# Altium PCB ImmPCB2.PCBDOC (part 1 of 4)
Units mm, origin at the board's own origin, x right, y up, seen from the top; angles counter-clockwise.
Board outline 140.04 x 97 mm, 4 copper layers (Top Layer, InternalPlane1, InternalPlane2, Bottom Layer); 374 components, 334 nets, 1652 pads, 438 vias.
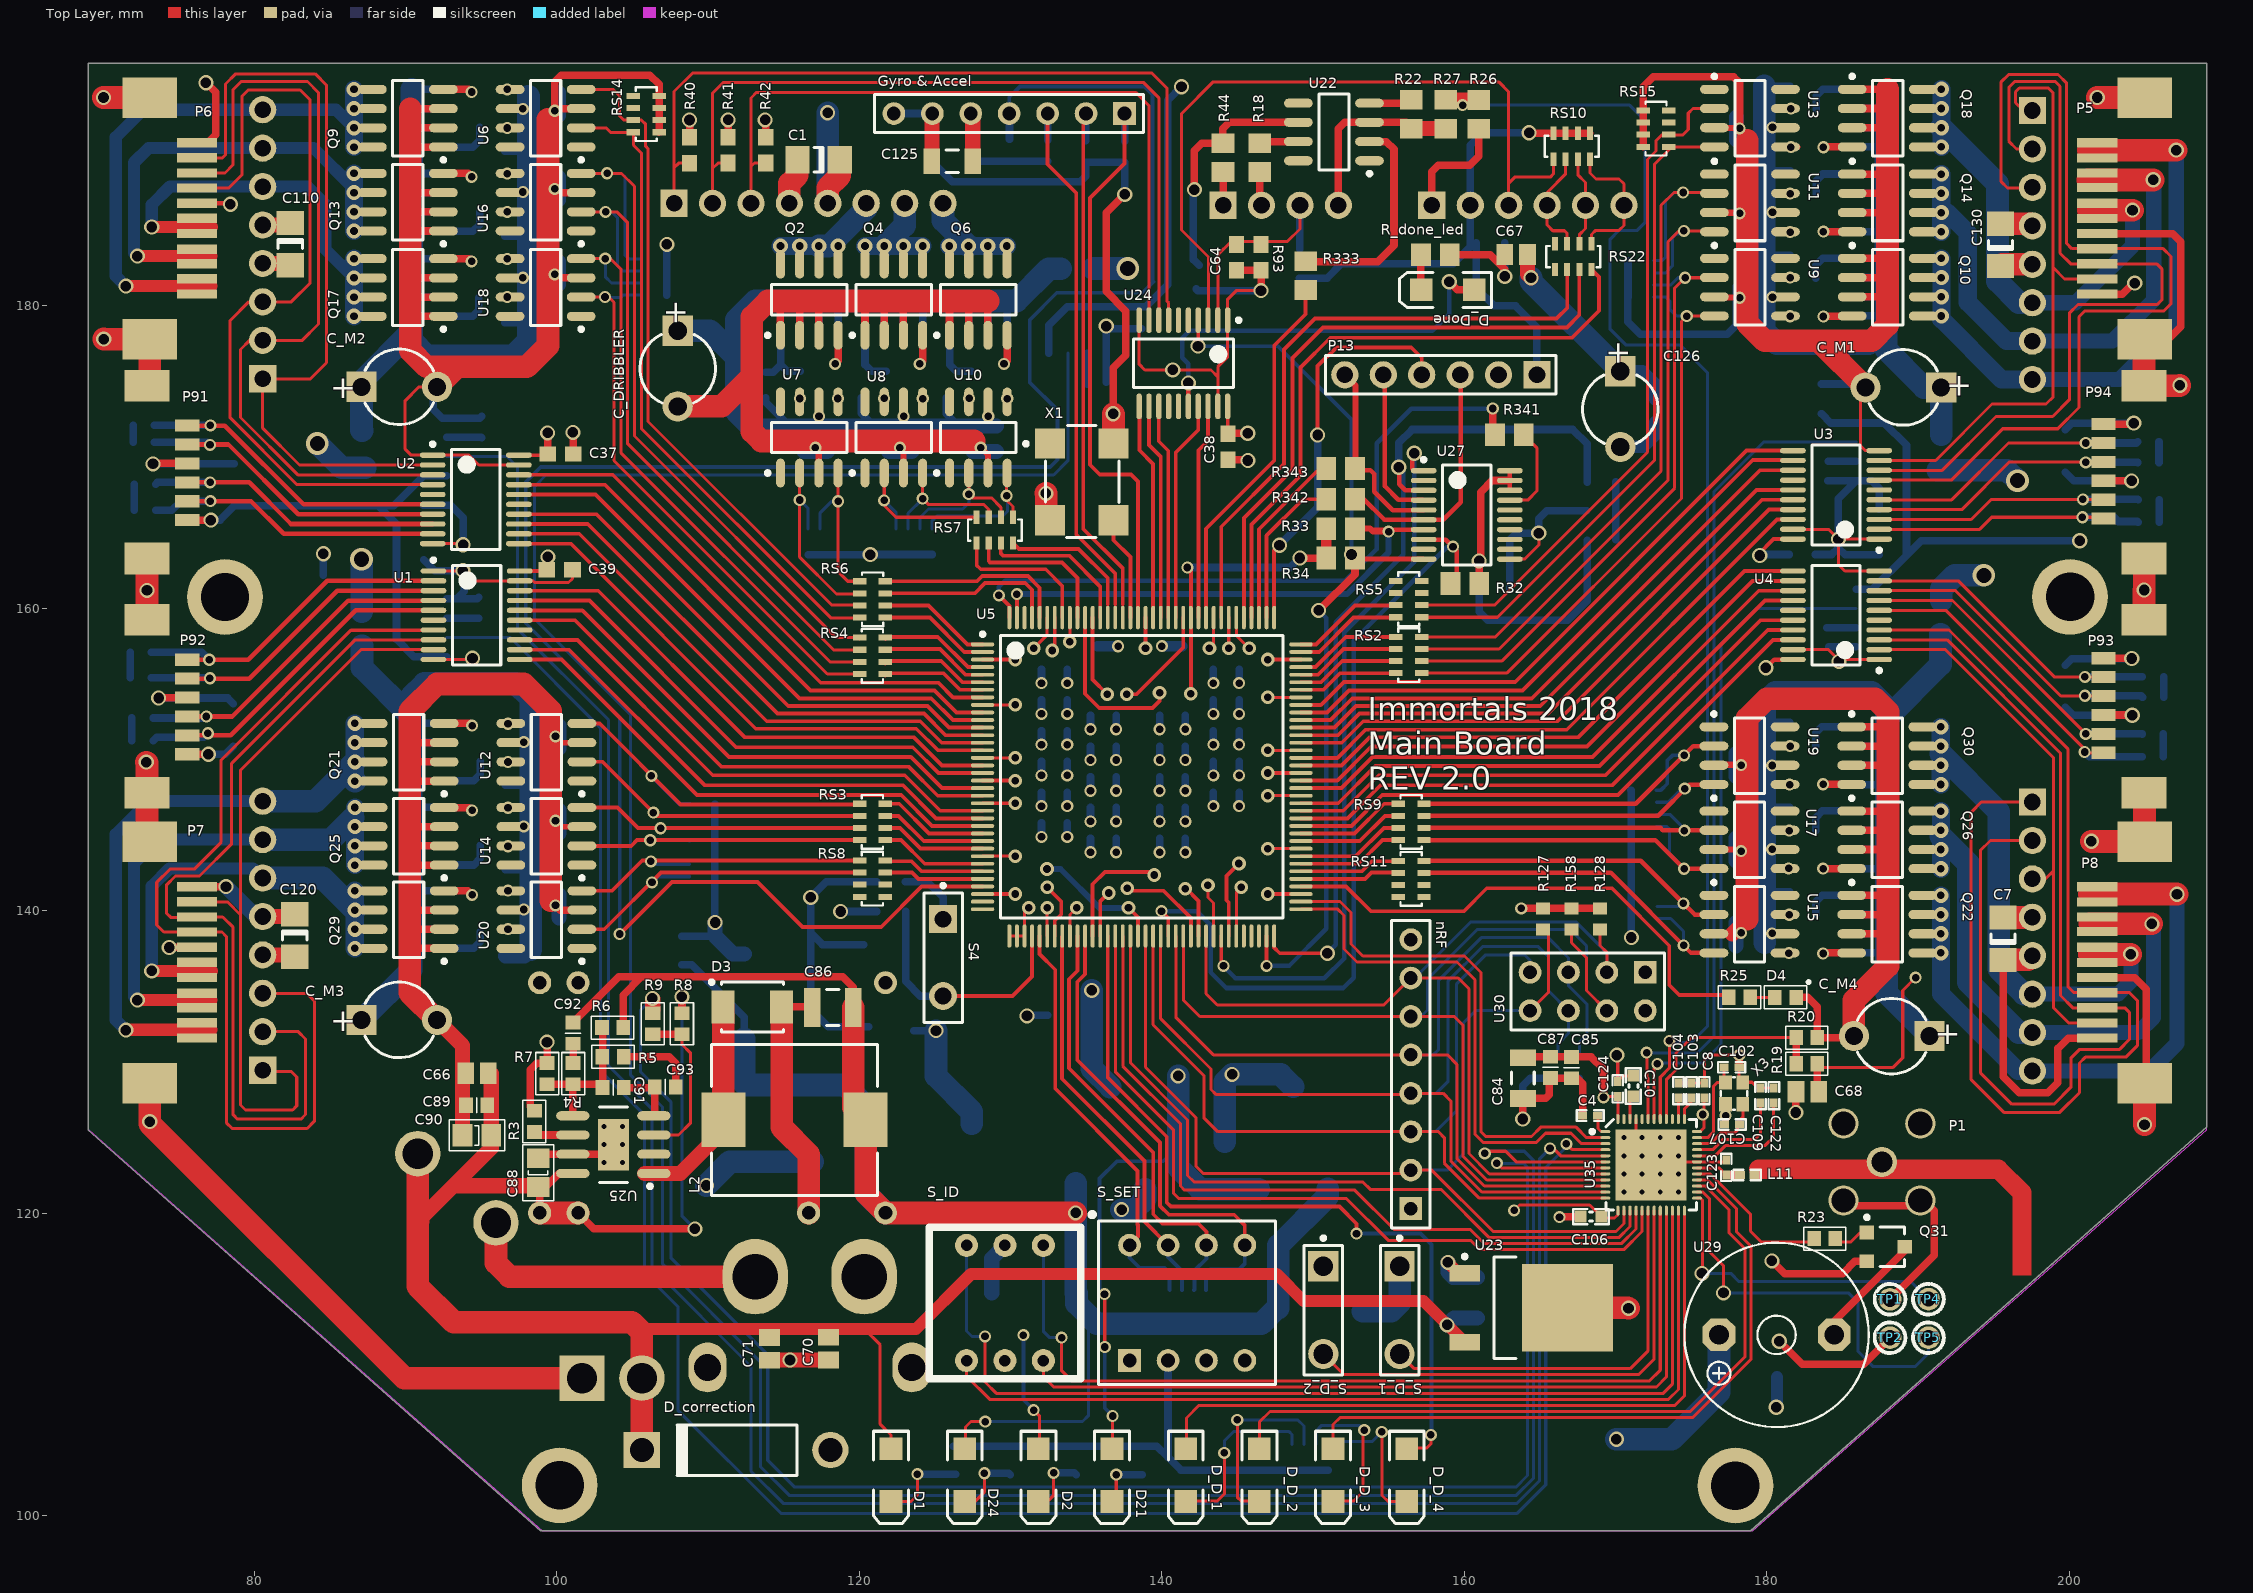
[diagram p0: Top Layer view]
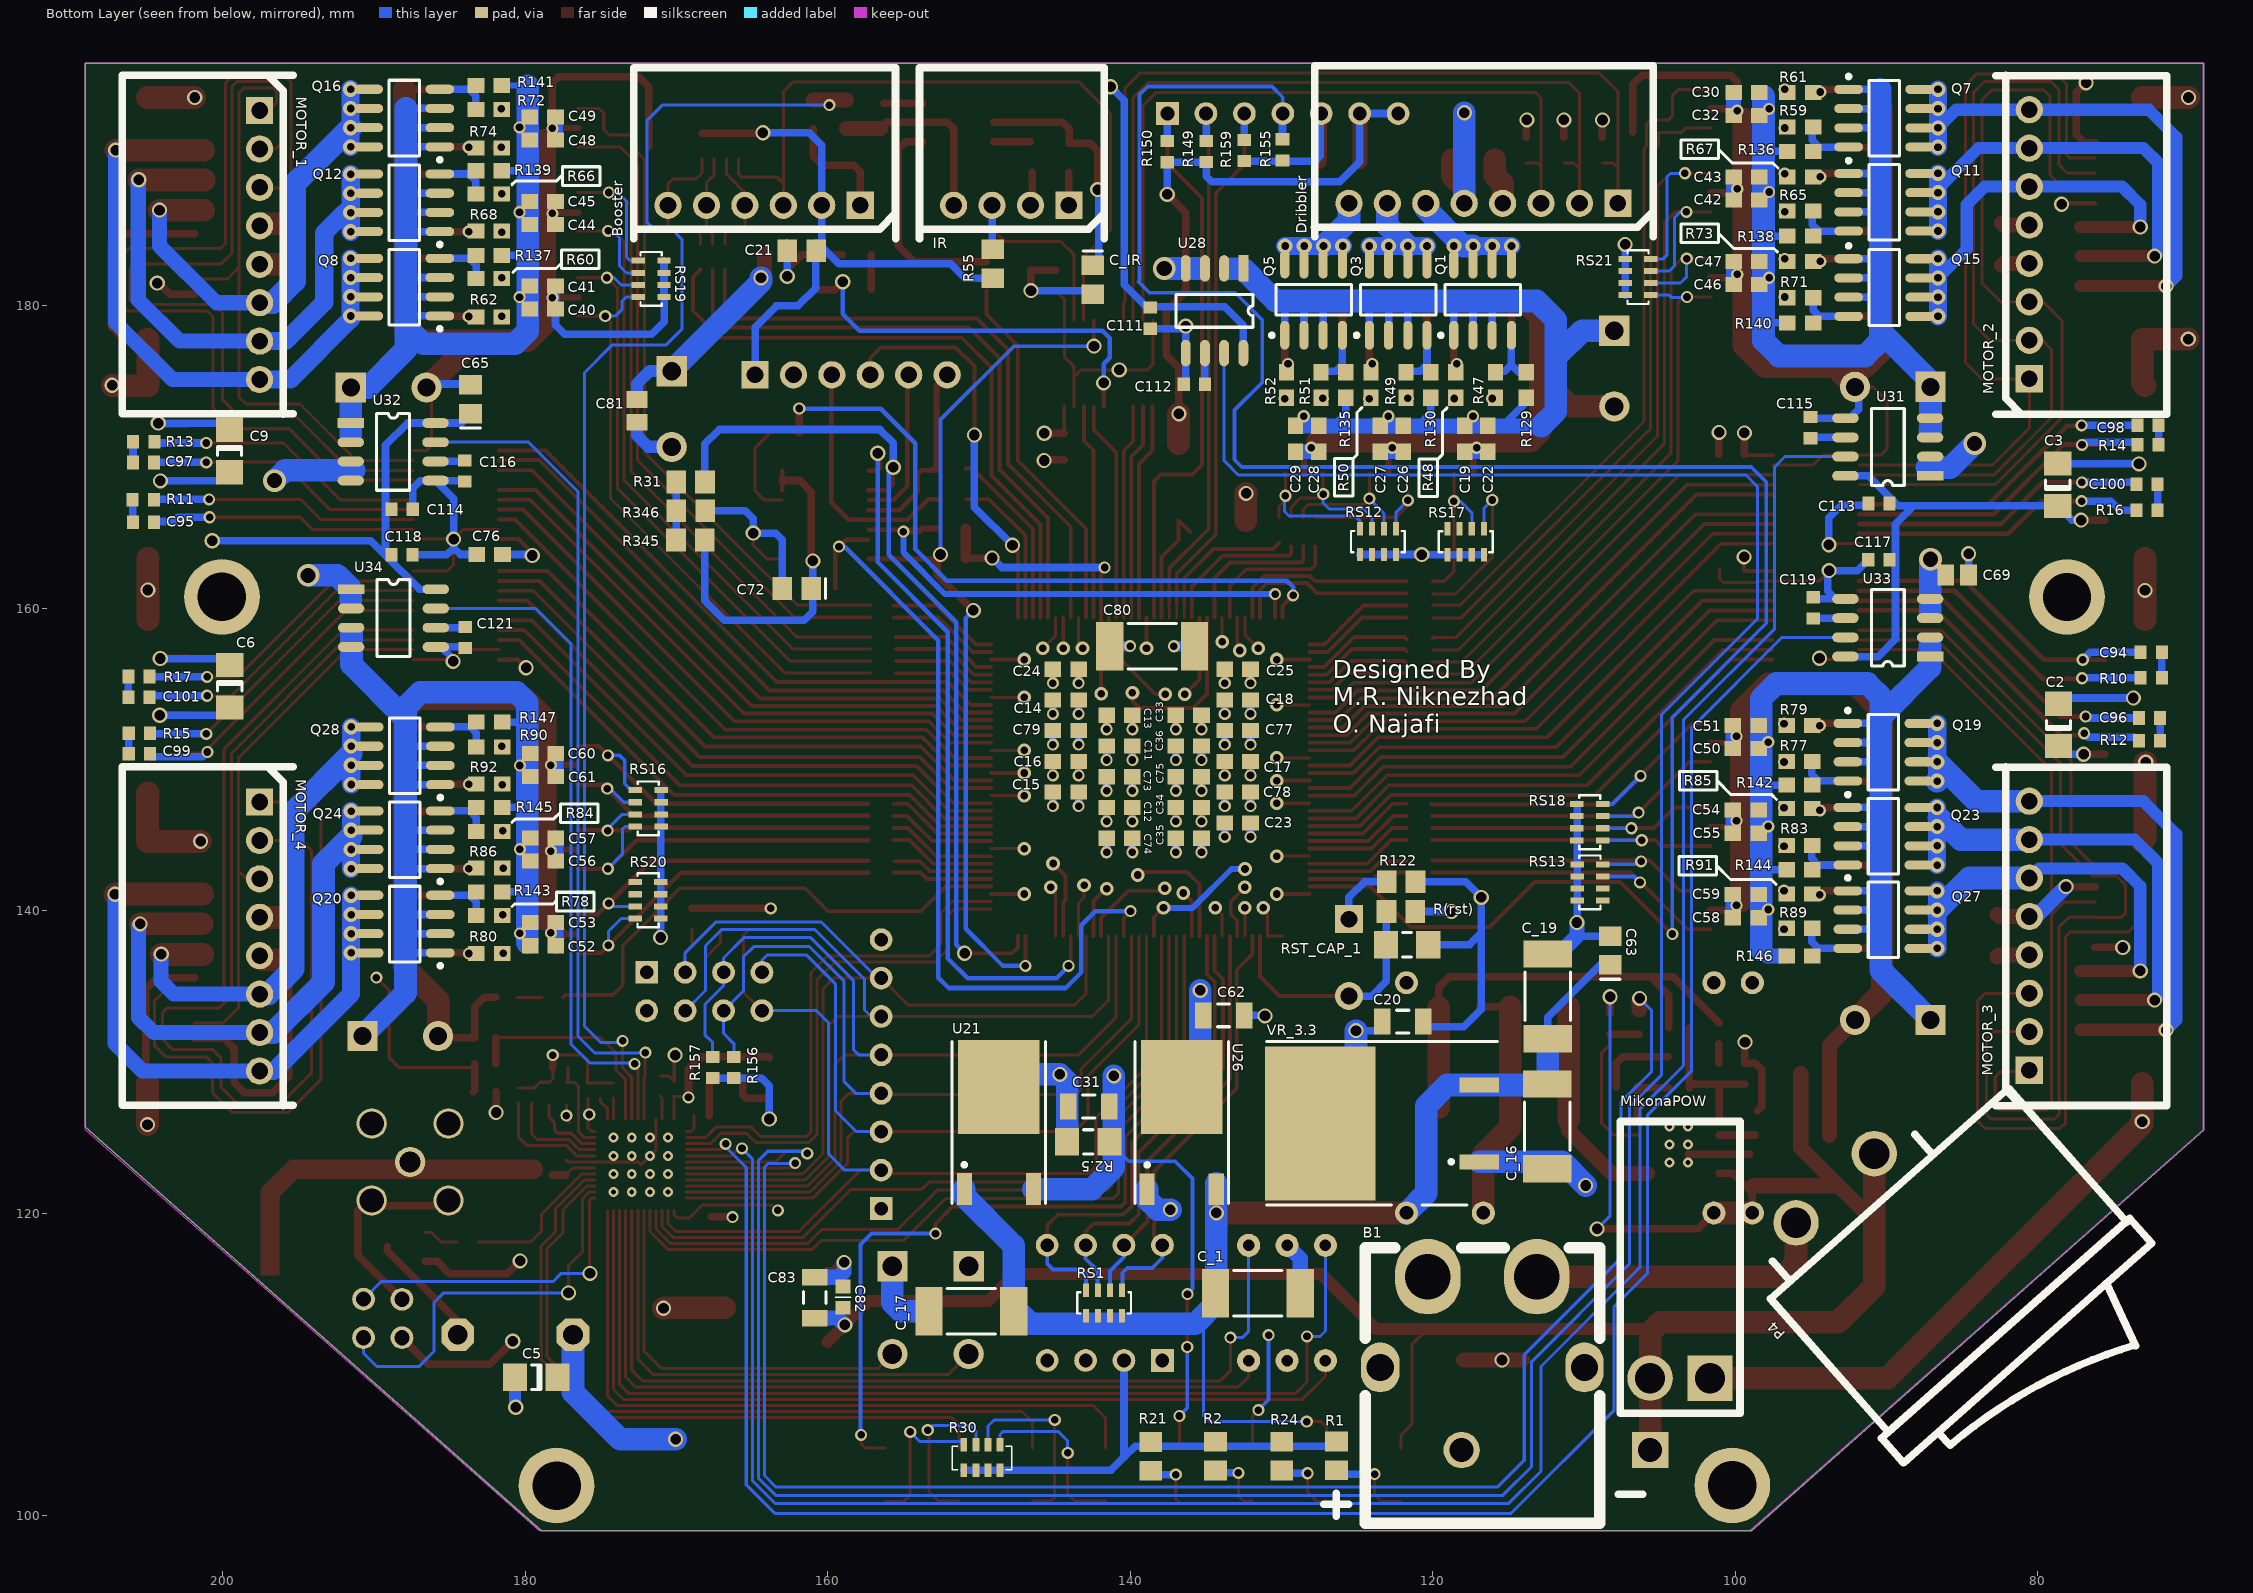
[diagram p1: Bottom Layer view, seen from below]
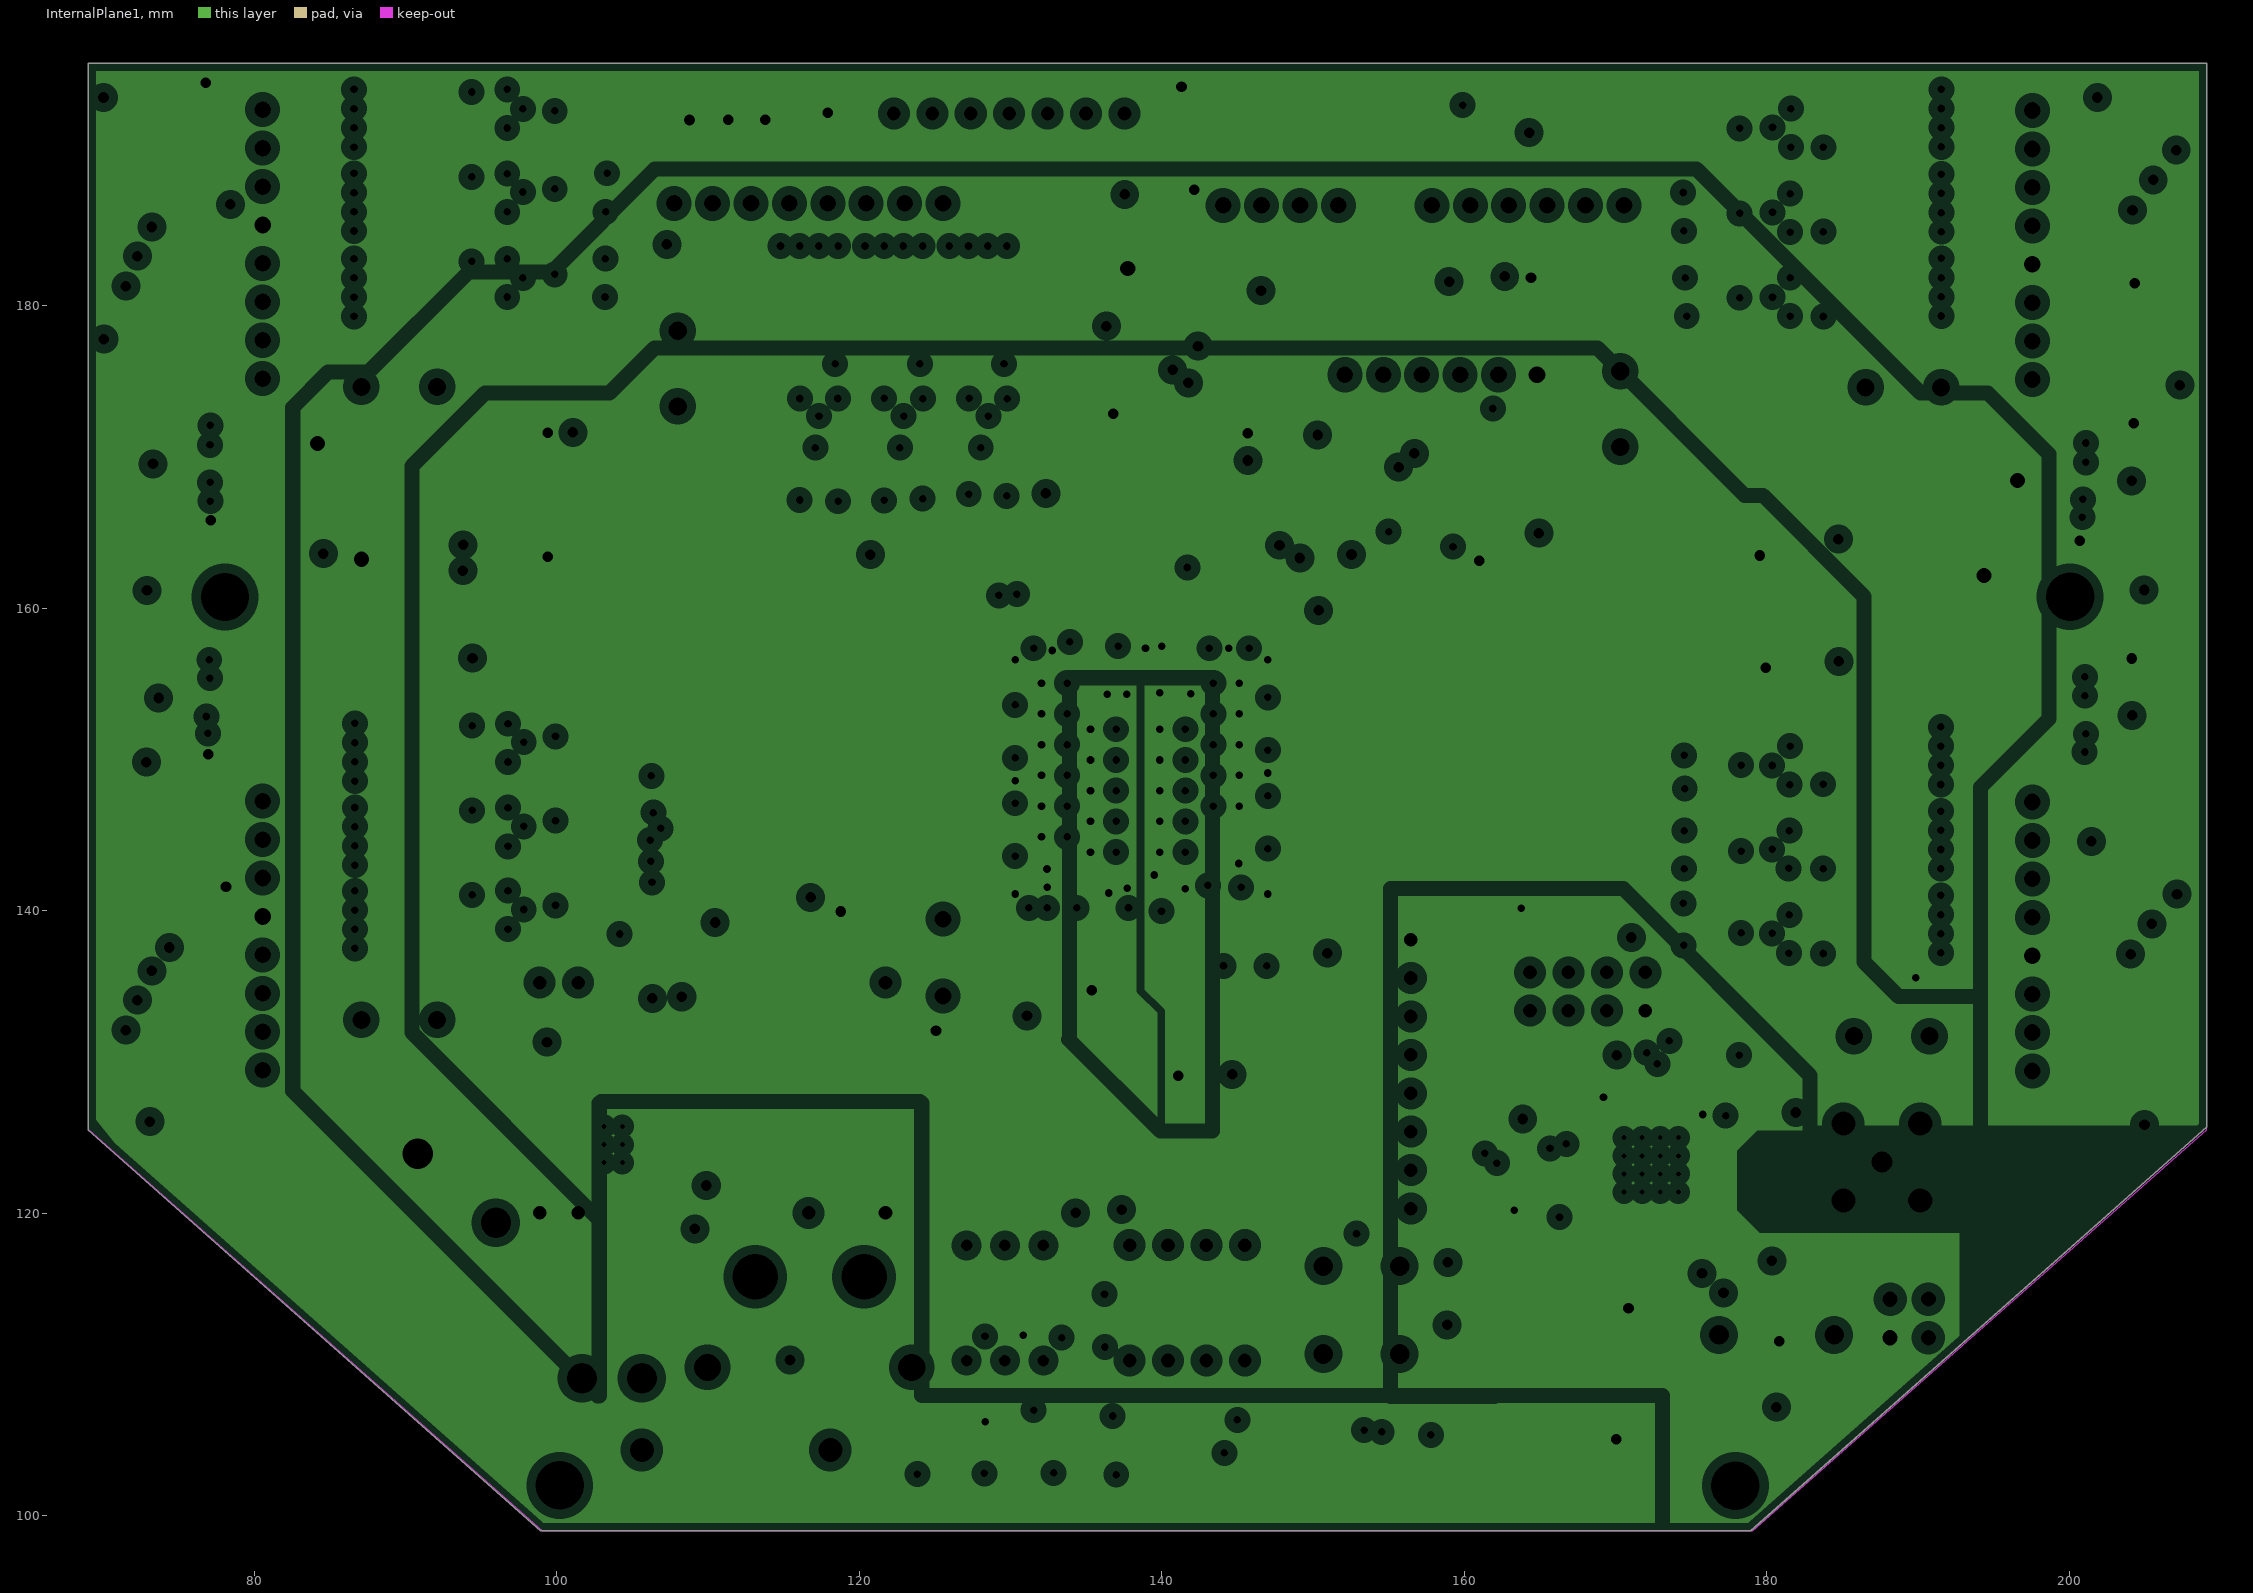
[diagram p2: InternalPlane1, clearances drawn from the general rule]
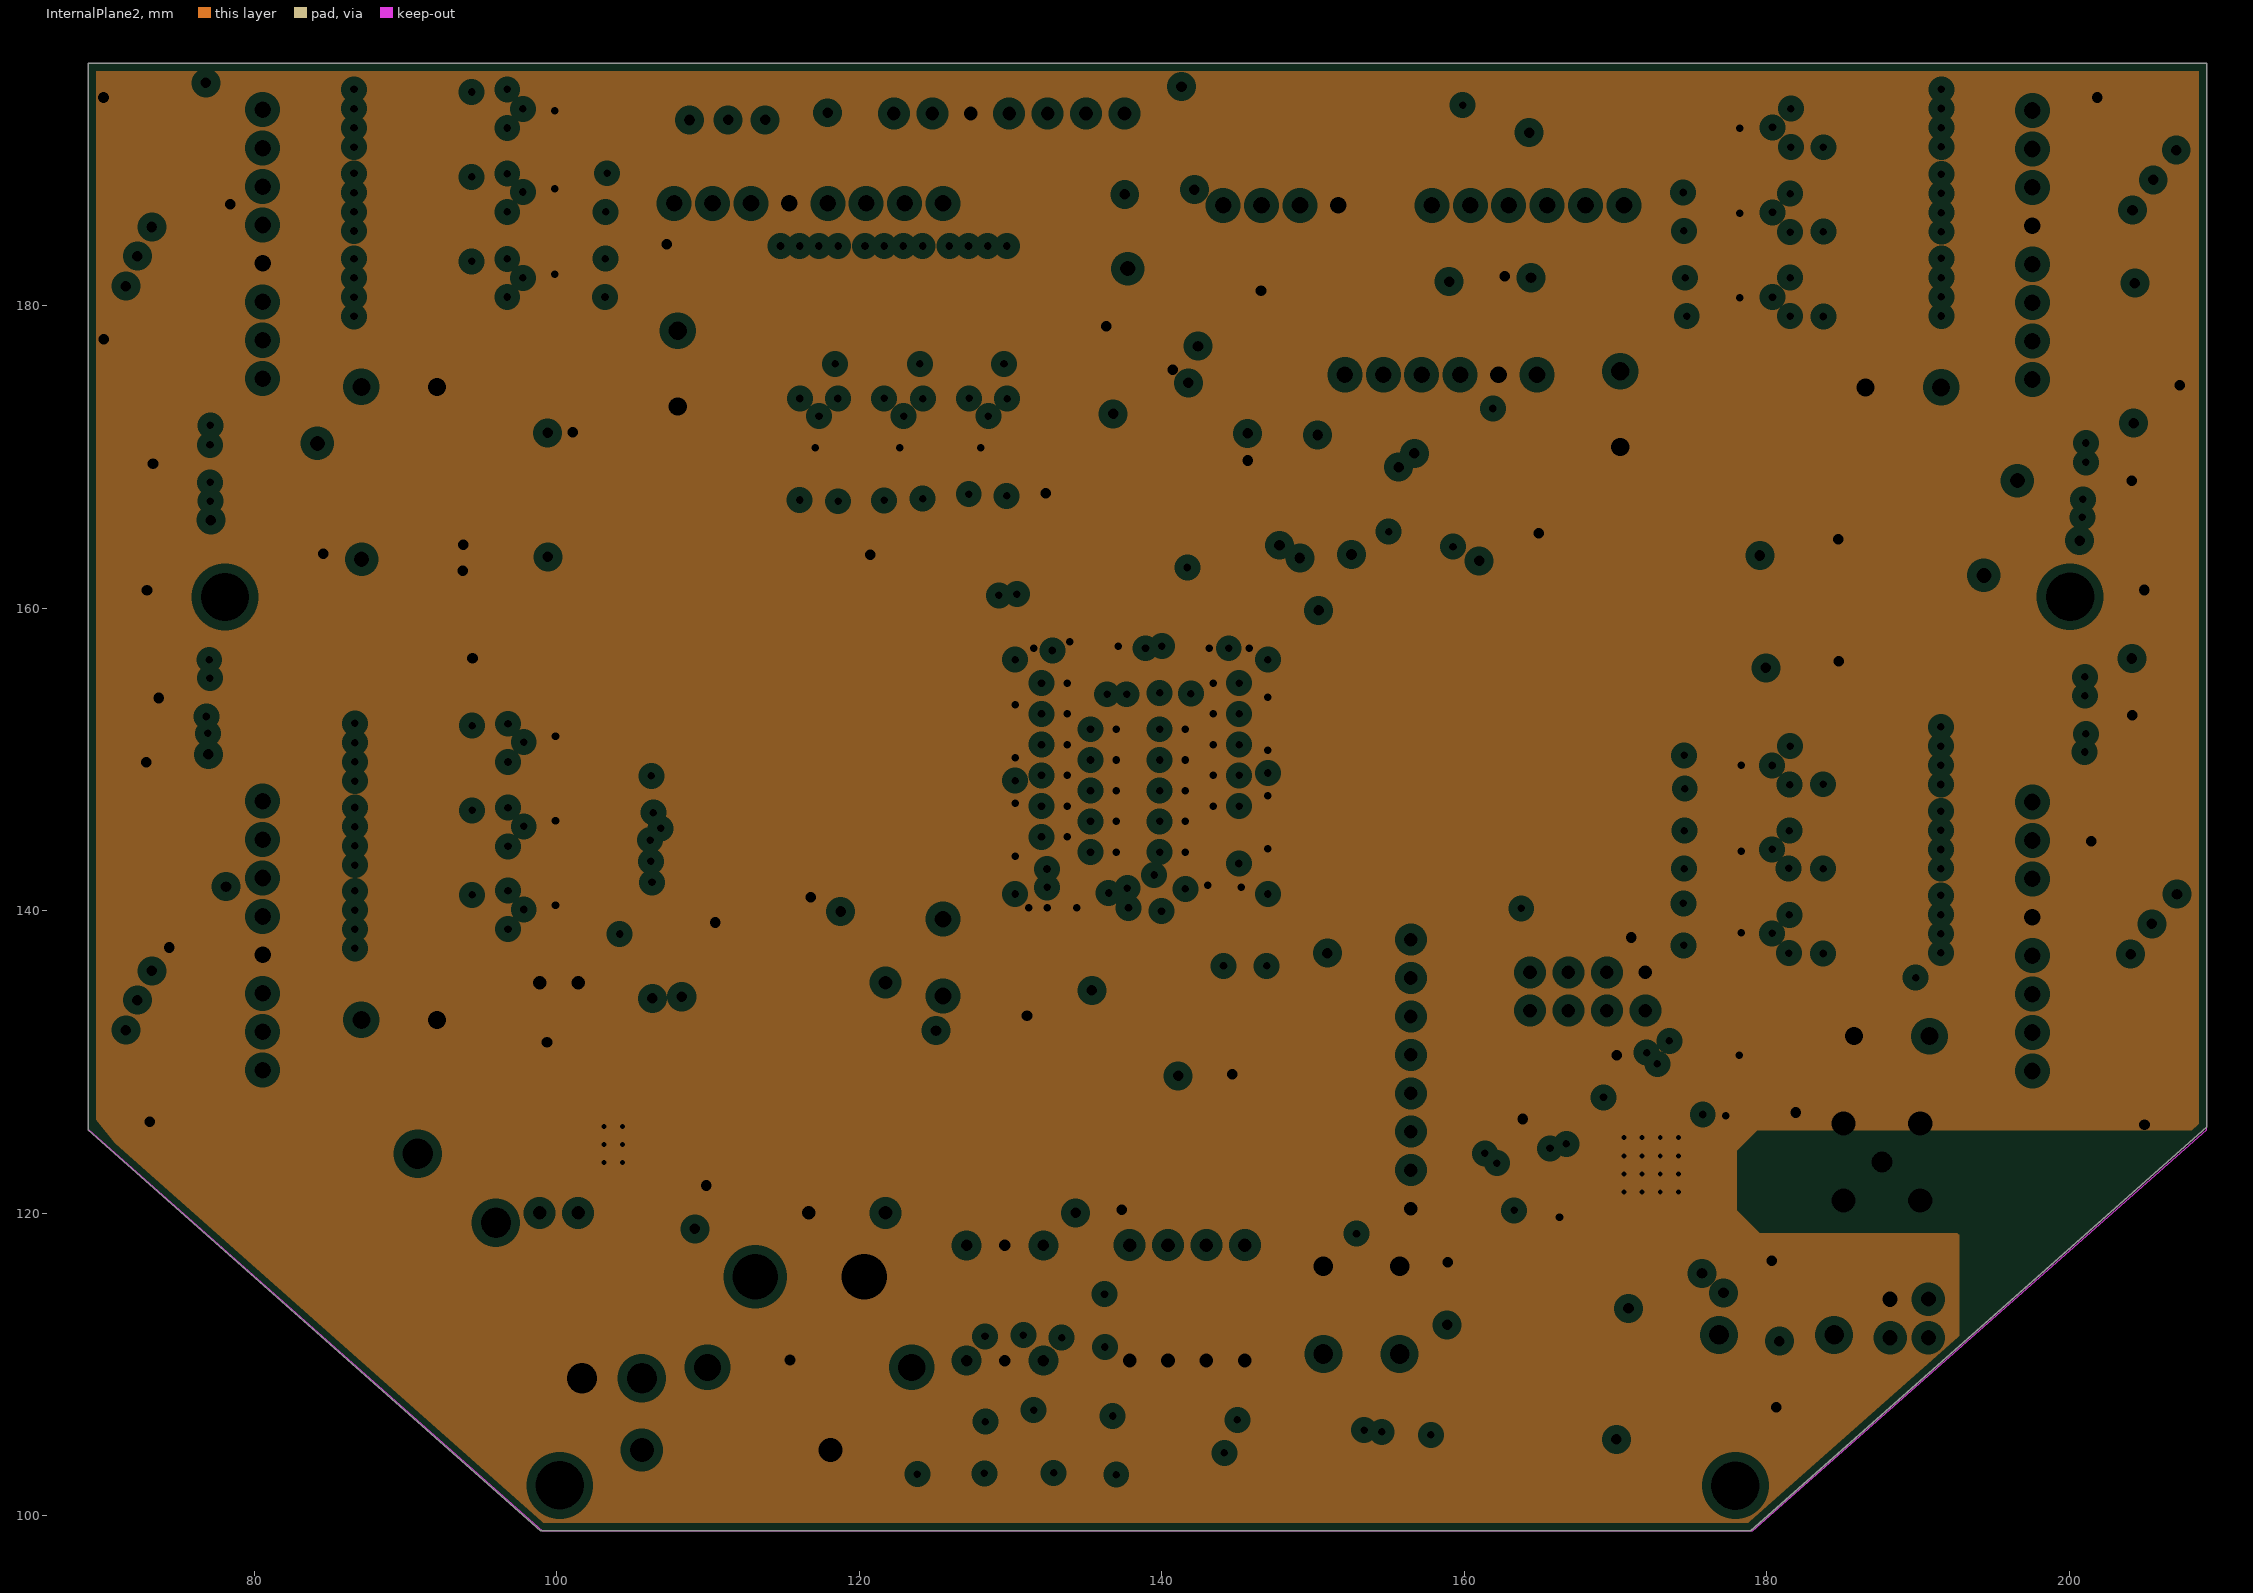
[diagram p3: InternalPlane2, clearances drawn from the general rule]

## Layer stack, top to bottom
Top Solder: solder mask 0.0102, Solder Resist, Dk 3.5
Top Layer: signal copper 0.0356
Dielectric1: core 0.32, FR-4, Dk 4.8
InternalPlane1: plane copper 0.0356, net (Multiple Nets)
Dielectric2: prepreg 0.32, FR-4, Dk 4.8
InternalPlane2: plane copper 0.0356, net GND
Dielectric3: core 0.32, FR-4, Dk 4.8
Bottom Layer: signal copper 0.0356
Bottom Solder: solder mask 0.0102, Solder Resist, Dk 3.5

## Board outline
98.944,98.996 69.03,125.491 69.03,195.996 209.07,195.996 209.07,125.679 178.944,98.996

## Design rules (kind name [scope] priority, off if disabled: settings)
Clearance [InLCC] p1: gap=0.2
Clearance Clearance_1 [All] p2: gap=0.2
FabricationTestPointUsage TestPointUsage [All] p1: valid=0 allowmultiple=FALSE
FabricationTestpoint Testpoint [All] p1: side=3 testpointundercomponent=TRUE minsize=1.016 maxsize=2.54 preferedsize=1.524 minholesize=0 maxholesize=1.016 preferedholesize=0.813 testpointgrid=0.025 allowsidetop=TRUE allowsidebottom=TRUE usegrid=TRUE gridtolerance=0
HoleSize [All] p1: absolutevalues=TRUE maxlimit=4.54 minlimit=0.5 maxpercent=80.000 minpercent=20.000
PlaneClearance [All] p1: clearance=0.608
PlaneConnect PlaneConnect_1 [(ObjectKind = 'Via') And (ViaDiameter = '0.99')] p1: planeconnectstyle=NoConnect reliefexpansion=0.508 reliefentries=4 reliefconductorwidth=0.254 reliefairgap=0.254
PlaneConnect [All] p2: planeconnectstyle=Direct reliefexpansion=0.508 reliefentries=4 reliefconductorwidth=1 reliefairgap=0.254
PolygonConnect [All] p1: connectstyle=Relief reliefconductorwidth=0.74 reliefentries=4 polygonreliefangle="90 Angle" airgapwidth=0.254
RoutingVias [All] p1: holewidth=0.5 width=0.8 viastyle="Through Hole" minholewidth=0.5 minwidth=0.8 maxholewidth=0.8 maxwidth=1
SMDNeckDown [All] p1: percent=70.000
SilkToSilkClearance [All] p1: silktosilkclearance=0.1
SilkToSolderMaskClearance [IsPad] p1: minsilkscreentomaskgap=0.03 clearancetoexposedcopper=TRUE
SolderMaskExpansion [All] p1: expansion=0.102
SupplyNets [All] p1: voltage=14.80
Width [All] p1: maxlimit=1.5 minlimit=0.2 preferedwidth=1 minimp=50.000000 maximp=50.000000 favimp=50.000000
23 further rules are at their usual default settings.

## Classes and differential pairs
component class U_Switches: D_D_1 D_D_2 D_D_3 D_D_4 Q31 Q_BUZZ R19 R20 R23 R30 R43 R45 R113 R133 R_Buzz RS1 S_D_1 S_D_2 S_ID S_SET U29
component class U_Dribbler: C19 C22 C26 C27 C28 C29 C111 C112 C_DRIBBLER Dribbler Q1 Q2 Q3 Q4 Q5 Q6 R40 R41 R42 R47 R48 R49 R50 R51 R52 R129 R130 R135 U7 U8 U10 U28
component class FPGA: Booster C1 C2 C3 C5 C6 C7 C9 C11 C12 C13 C14 C15 C16 C17 C18 C21 C23 C24 C25 C33 C34 C35 C36 C37 C38 C39 C63 C64 C65 C72 C73 C74 C75 C76 C77 C78 C79 C80 C94 C95 C96 C97 C98 C99 C100 C101 C110 C120 C130 C_IR D4 D_Done IR P13 P91 P92 P93 P94 R10 R11 R12 R13 R14 R15 R16 R17 R18 R22 R25 R26 R27 R31 R32 R33 R34 R44 R55 R93 R122 R333 R341 R342 R343 R345 R346 R(rst) R_done_led RS2 RS3 RS4 RS5 RS6 RS7 RS8 RS9 RS10 RS11 RS12 RS13 RS14 RS15 RS16 RS17 RS18 RS19 RS20 RS21 RS22 RST_CAP_1 S4 U1 U2 U3 U4 U5 U22 U24 U27 X1
component class U_Motors&Drivers: 33434234 Antenna C1_680uF C2_680uF C3_220uF C4_220uF C30 C32 C40 C41 C42 C43 C44 C45 C46 C47 C48 C49 C50 C51 C52 C53 C54 C55 C56 C57 C58 C59 C60 C61 C113 C114 C115 C116 C117 C118 C119 C121 C(tele) C_M1 C_M2 C_M3 C_M4 D5 D6 D7 D8 D9 F3 IDC_CO K1 K2 K3 K4 Magnet MOTOR_1 MOTOR_2 MOTOR_3 MOTOR_4 P5 P6 P7 P8 P? Q7 Q8 Q9 Q10 Q11 Q12 Q13 Q14 Q15 Q16 Q17 Q18 Q19 Q20 Q21 Q22 Q23 Q24 Q25 Q26 Q27 Q28 Q29 Q30 R59 R60 R61 R62 R65 R66 R67 R68 R71 R72 R73 R74 R77 R78 R79 R80 R83 R84 R85 R86 R89 R90 R91 R92 R136 R137 R138 R139 R140 R141 R142 R143 R144 R145 R146 R147 R444 Self telecontrolli U6 U9 U11 U12 U13 U14 U15 U16 U17 U18 U19 U20 U31 U32 U33 U34
component class U_Power: B1 C20 C31 C62 C66 C67 C68 C69 C70 C71 C81 C86 C88 C89 C90 C91 C92 C93 C126 C_1 C_16 C_17 C_19 C_MIKONA D1 D2 D3 D21 D24 D_correction L1 L2 MikonaPOW P4 R1 R2 R2.5 R3 R4 R5 R6 R7 R8 R9 R21 R24 R_D_REV U21 U25 U26 VR_3.3
component class U_MCU: C4 C8 C10 C82 C83 C84 C85 C87 C102 C103 C104 C106 C107 C109 C122 C123 C124 L11 P1 TP1 TP2 TP4 TP5 U23 U35 X3
component class U_NRF&Gyro: C2(tele) C125 C(tele) "Gyro & Accel" nRF R127 R128 R149 R150 R155 R156 R157 R158 R159 U30
